# KiCad board board_delta.kicad_pcb (continued)
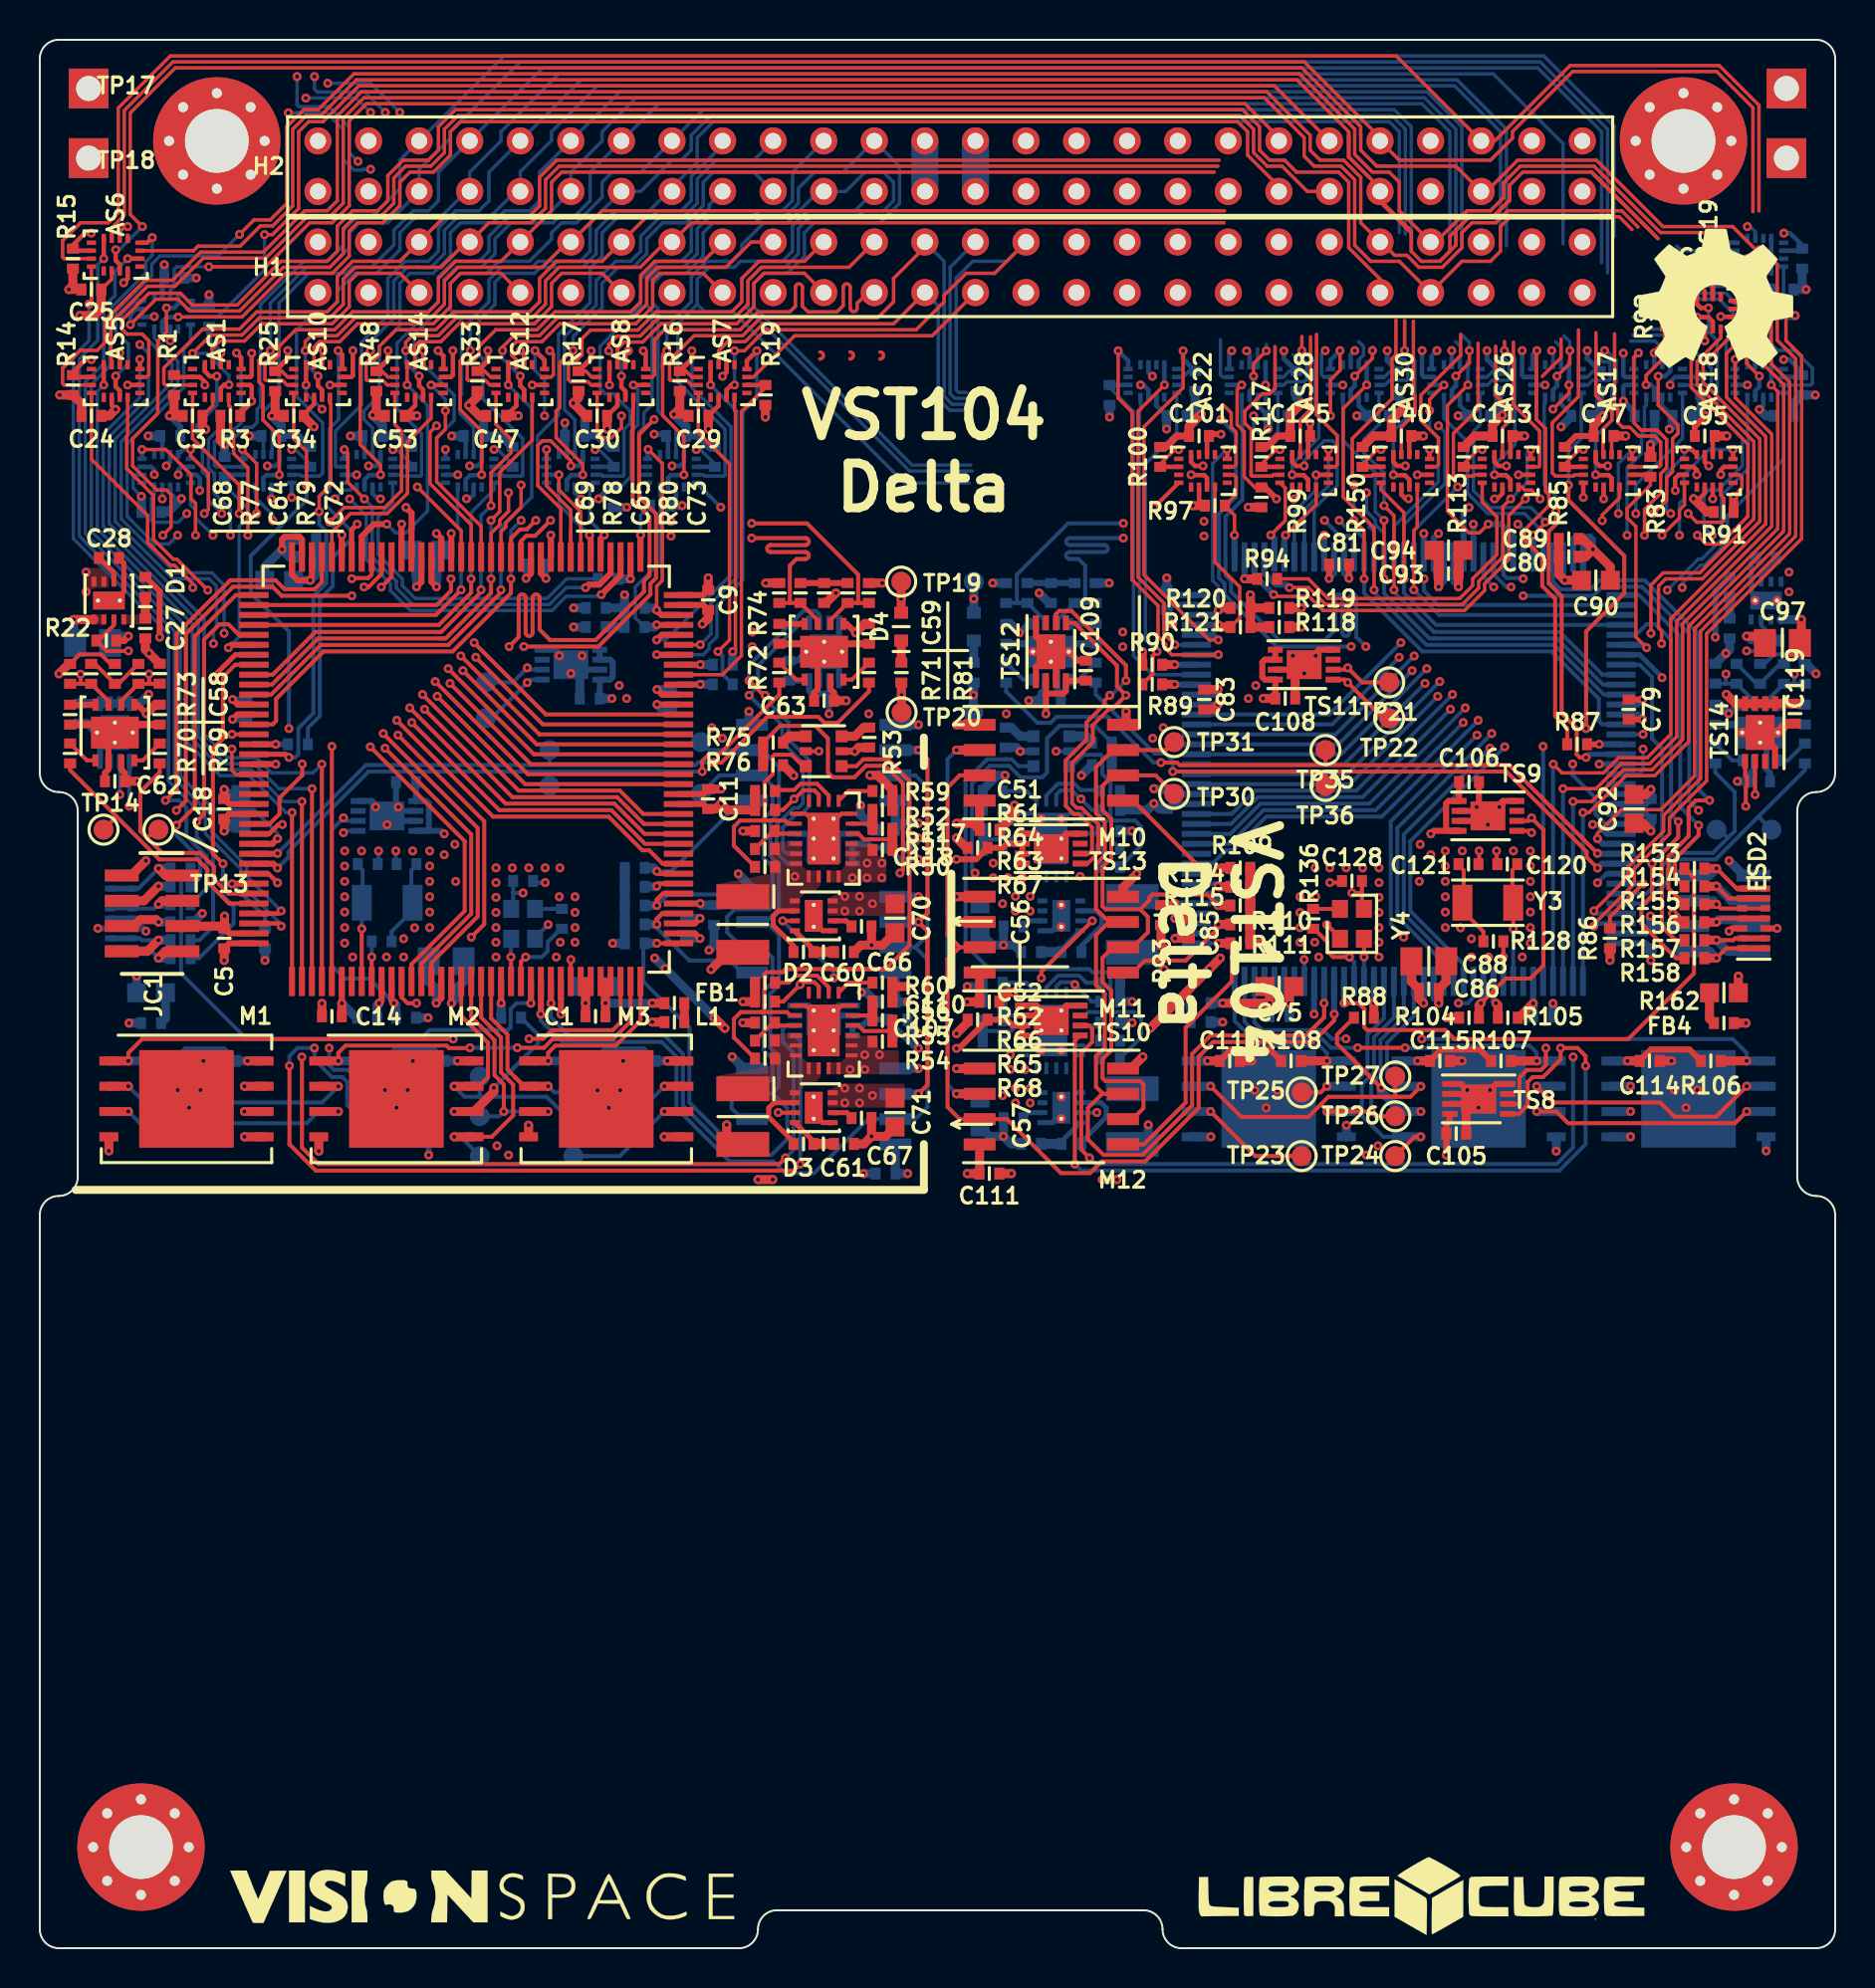
[diagram p0: board, top side]
## Nets (continued)
Net-(C102-Pad1): C102.1 Q4.6
Net-(C121-Pad2): C121.2 R128.1 Y3.2
Net-(C129-Pad1): C129.1 EF3.18
Net-(C130-Pad1): C130.1 EF4.18
Net-(C131-Pad2): C131.2 R137.2 R139.2
Net-(C132-Pad2): C132.2 R138.2 R140.2
Net-(C141-Pad1): C141.1 D6.1 Q5.4
Net-(C142-Pad1): C142.1 D7.1 Q6.4
Net-(C143-Pad1): C143.1 Q5.6
Net-(C144-Pad1): C144.1 Q6.6
Net-(D4-Pad1): D4.1 R81.2
Net-(D8-Pad1): D8.1 R161.2
Net-(EF1-Pad3): EF1.3 R63.2 R64.1
Net-(EF1-Pad14): EF1.14 R50.2 R51.1
Net-(EF1-Pad15): EF1.15 R51.2 R52.1
Net-(EF1-Pad17): EF1.17 R59.2
Net-(EF1-Pad20): EF1.20
Net-(EF2-Pad3): EF2.3 R65.2 R66.1
Net-(EF2-Pad14): EF2.14 R54.2 R55.1
Net-(EF2-Pad15): EF2.15 R55.2 R56.1
Net-(EF2-Pad17): EF2.17 R60.2
Net-(EF2-Pad20): EF2.20
Net-(EF3-Pad3): EF3.3 R145.2 R146.1
Net-(EF3-Pad14): EF3.14 R129.2 R130.1
Net-(EF3-Pad15): EF3.15 R130.2 R131.1
Net-(EF3-Pad17): EF3.17 R141.2
Net-(EF3-Pad20): EF3.20
Net-(EF4-Pad3): EF4.3 R147.2 R148.1
Net-(EF4-Pad14): EF4.14 R133.2 R134.1
Net-(EF4-Pad15): EF4.15 R134.2 R135.1
Net-(EF4-Pad17): EF4.17 R142.2
Net-(EF4-Pad20): EF4.20
Net-(ESD1-Pad1): ESD1.1 ESD1.14 JC1.2 R41.1
Net-(ESD1-Pad5): ESD1.5 JC1.1 R58.2
Net-(ESD1-Pad6): ESD1.6 ESD1.9 JC1.7 R45.1
Net-(ESD1-Pad7): ESD1.7 ESD1.8 JC1.8 R46.1
Net-(ESD1-Pad11): ESD1.4 ESD1.11 JC1.5 R44.1
Net-(ESD1-Pad12): ESD1.3 ESD1.12 JC1.4 R43.1
Net-(ESD1-Pad13): ESD1.2 ESD1.13 JC1.3 R42.1
Net-(ESD2-Pad1): ESD2.1 ESD2.14 JC2.2 R153.1
Net-(ESD2-Pad5): ESD2.5 JC2.1 R162.2
Net-(ESD2-Pad6): ESD2.6 ESD2.9 JC2.7 R157.1
Net-(ESD2-Pad7): ESD2.7 ESD2.8 JC2.8 R158.1
Net-(ESD2-Pad11): ESD2.4 ESD2.11 JC2.5 R156.1
Net-(ESD2-Pad12): ESD2.3 ESD2.12 JC2.4 R155.1
Net-(ESD2-Pad13): ESD2.2 ESD2.13 JC2.3 R154.1
Net-(FB1-Pad1): FB1.1 L1.2
Net-(FB2-Pad1): FB2.1 R58.1
Net-(FB3-Pad1): FB3.1 L2.2
Net-(FB4-Pad1): FB4.1 R162.1
Net-(H1-Pad1): H1.1
Net-(H1-Pad2): H1.2
Net-(H1-Pad3): H1.3
Net-(H1-Pad4): H1.4
Net-(H1-Pad29): H1.29
Net-(H1-Pad31): H1.31
Net-(H1-Pad32): H1.32
Net-(H1-Pad37): H1.37
Net-(H1-Pad38): H1.38
Net-(H1-Pad47): H1.47
Net-(H1-Pad48): H1.48
Net-(H1-Pad49): H1.49
Net-(H1-Pad50): H1.50
Net-(H1-Pad51): H1.51
Net-(H1-Pad52): H1.52
Net-(H2-Pad1): H2.1
Net-(H2-Pad2): H2.2
Net-(H2-Pad3): H2.3
Net-(H2-Pad4): H2.4
Net-(H2-Pad31): H2.31
Net-(H2-Pad33): H2.33
Net-(H2-Pad34): H2.34
Net-(H2-Pad35): H2.35
Net-(H2-Pad36): H2.36
Net-(H2-Pad37): H2.37
Net-(H2-Pad38): H2.38
Net-(H2-Pad45): H2.45
Net-(H2-Pad46): H2.46
Net-(H2-Pad49): H2.49
Net-(H2-Pad50): H2.50
Net-(H2-Pad51): H2.51
Net-(H2-Pad52): H2.52
Net-(LG1-Pad4): LG1.4 R75.1
Net-(LG2-Pad4): LG2.4 R159.1
Net-(MH1-Pad1): MH1.1
Net-(MH2-Pad1): MH2.1
Net-(MH3-Pad1): MH3.1
Net-(MH4-Pad1): MH4.1
Net-(Q2-Pad3): Q2.3 Q3.3 R75.2 R76.1
Net-(Q5-Pad3): Q5.3 Q6.3 R159.2 R160.1
Net-(R6-Pad1): R6.1 U1.124
Net-(R7-Pad1): R7.1 U1.22
Net-(R8-Pad1): R8.1 U1.63
Net-(R9-Pad1): R9.1 U1.65
Net-(R12-Pad2): R12.2 U1.41
Net-(R13-Pad2): R13.2 U1.74
Net-(R57-Pad2): R57.2 Y2.1
Net-(R69-Pad1): R69.1 U2.4
Net-(R70-Pad1): R70.1 U2.1
Net-(R71-Pad1): R71.1 U3.4
Net-(R72-Pad1): R72.1 U3.1
Net-(R73-Pad1): R73.1 U2.8
Net-(R74-Pad1): R74.1 U3.8
Net-(R87-Pad1): R87.1 U4.124
Net-(R88-Pad1): R88.1 U4.22
Net-(R89-Pad1): R89.1 U4.63
Net-(R90-Pad1): R90.1 U4.65
Net-(R93-Pad2): R93.2 U4.41
Net-(R94-Pad2): R94.2 U4.74
Net-(R122-Pad1): R122.1 U5.4
Net-(R123-Pad1): R123.1 U5.1
Net-(R124-Pad1): R124.1 U6.4
Net-(R125-Pad1): R125.1 U6.1
Net-(R126-Pad1): R126.1 U5.8
Net-(R127-Pad1): R127.1 U6.8
Net-(R136-Pad2): R136.2 Y4.1
Net-(TS1-Pad3): TS1.3
Net-(TS2-Pad3): TS2.3
Net-(TS3-Pad3): TS3.3
Net-(TS4-Pad3): TS4.3
Net-(TS5-Pad3): TS5.3
Net-(TS6-Pad3): TS6.3
Net-(TS7-Pad3): TS7.3
Net-(TS8-Pad3): TS8.3
Net-(TS9-Pad3): TS9.3
Net-(TS10-Pad3): TS10.3
Net-(TS11-Pad3): TS11.3
Net-(TS12-Pad3): TS12.3
Net-(TS13-Pad3): TS13.3
Net-(TS14-Pad3): TS14.3
Net-(U1-Pad7): U1.7
Net-(U1-Pad46): U1.46
Net-(U1-Pad128): U1.128
Net-(U1-Pad129): U1.129
Net-(U4-Pad7): U4.7
Net-(U4-Pad46): U4.46
Net-(U4-Pad128): U4.128
Net-(U4-Pad129): U4.129

## Via types
v1: diameter 0.45, hole 0.2, Top to Bottom, 1075 vias

## Routing (per net, layer and track width the routed paths; a pad name or vN(x,y) marks a point on that pad's centre or on a via; arc(x,y) is an arc through that point)
/OBC_left/+3V3: length 80.6
  Top w0.3: C18.2 9.51,56.99 U1.131 ; U1.108 12.67,69.01 12.95,68.73 v1(13.58,68.73) 13.62,68.77 ; U2.5 4.9,62.48 v1(5.35,62.03) ; 13.67,68.94 U1.106 ; U3.5 40.52,66.54 v1(40.97,66.09) ; U1.52 33.31,57.99 C11.2 ; U1.144 9.51,50.49 C5.2 ; C9.2 33.32,67.99 U1.72 ; U1.121 9.93,61.99 v1(9.68,61.74) ; U1.6 v1(15.17,47.47) 15.16,47.47 ; v1(18.92,68.4) 19.17,68.65 U1.95 ; v1(33.16,51.75) 32.9,51.49 U1.39 ; U1.84 24.67,69.07 v1(24.42,68.83) ; U1.62 31.25,62.99 v1(31,63.24) ; v1(20.67,47.48) 20.67,47.48 U1.17 ; 31.45,44.58 31.45,44.58 ; D1.2 6.02,68.18 v1(6.02,65.87)
  Top w0.45: C9.2 v1(33.57,68.85) ; v1(9.26,49.63) C5.2 ; C59.2 41.42,66.54 v1(40.97,66.09) ; v1(5.35,62.03) 5.8,62.48 C58.2 5.8,62.48 5.75,62.42 ; v1(34.22,58.26) 34.2,58.24 C11.2 ; L1.1 v1(30.76,46.53) ; v1(15.17,47.47) 15.17,47.47 C14.2 ; C18.2 v1(9.26,56.13) ; 43.26,67.12 v1(43.26,67.8) TP19.1 ; 31.69,44.58 M3.8 31.52,44.58 v1(31.52,44.58) ; M2.8 20.98,44.58 v1(20.97,44.58) ; M1.8 10.44,44.58 v1(10.44,44.58) ; v1(1.7,66.76) Q1.1
  In3.Cu w0.2: 26.12,53.61 25.73,53.22 25.73,53.22 25.53,53.02 v1(24.27,53.02)
  Bottom w0.2: C55.2 23.77,53.03 ; 23.77,53.03 23.78,53.02 v1(24.27,53.02) ; 23.77,53.03 23.77,52.32 Y2.4
  Bottom w0.3: C6.2 v1(9.68,61.74) ; C8.2 v1(24.42,68.83) ; M4.8 42.64,57.66 ; C43.1 30.33,45.16 28.41,45.16 R29.1 ; C42.1 19.77,45.16 17.86,45.16 R28.1 ; C41.1 9.25,45.16 7.32,45.16 R27.1
  Bottom w0.45: R39.1 R40.1 R37.1 ; R39.1 v1(29.37,68) ; R39.1 R38.1 ; M4.8 C44.1 43.3,56.52 v1(44.13,56.52) ; v1(33.16,51.75) 33.15,51.74 C12.2 ; v1(43.59,47.55) C39.1 42.97,47.56 M5.8 ; v1(31,63.24) C10.2 ; R32.1 v1(28.77,50.49) ; v1(43.59,38.92) C40.1 42.97,38.93 M6.8 ; v1(20.67,47.48) 20.91,47.72 C13.2 21.29,48.57 C15.1 ; C16.2 C7.2 13.88,69.03 v1(13.58,68.73) C17.2 ; v1(15.17,47.47) 15.89,46.75 R24.1 ; R23.1 v1(19.5,46.75) ; v1(9.26,56.13) 9.65,56.52 10.1,56.52 ; C20.2 v1(18.92,68.4) ; C42.1 v1(20.97,44.58) ; C41.1 v1(10.44,44.58) ; C43.1 v1(31.52,44.58) ; C26.2 1.7,65.66 v1(1.7,66.76) ; FB2.2 4.48,46.48 v1(4.48,46.48)
  Bottom w0.5: R30.1 R35.1 R36.1 R31.1 R32.1 ; C21.2 18.92,70.02 C20.2 ; M6.8 42.97,40.39
  vias: v1(40.43,52.85) v1(40.43,52.11) v1(41.17,52.85) v1(41.17,52.11) v1(41.82,52.48)
/OBC_left/+3V3_ADC: length 7.8
  Top w0.3: 28.44,48.58 U1.32 28.41,48.58 ; 28.44,48.58 28.41,48.54 ; 28.44,48.58 U1.33 28.41,48.58 ; 28.41,48.58 28.41,47.48 v1(28.41,47.48)
  Top w0.45: 28.41,48.54 v1(28.41,47.48) C1.2 ; FB1.2 v1(30.76,47.48)
  Bottom w0.45: C2.2 28.41,48.09 v1(28.41,47.48) v1(30.76,47.48)
/OBC_left/+5V: length 167.8
  Top w0.173: AS6.10 3.61,83.86 C25.2 ; AS1.10 8.69,77.51 C3.2
  Top w0.225: C53.2 18.85,77.51 AS14.10 ; AS10.10 13.77,77.58 13.26,77.07 C34.2 ; C47.2 23.93,77.5 AS12.10 ; AS8.10 29.01,77.51 C30.2 ; AS5.10 3.61,77.51 v1(3.81,77.31) ; AS7.10 34.09,77.5 C29.2
  Top w0.3: C63.2 39.89,63.08 39.72,63.26 U3.3 ; U2.3 4.1,59.23 4.27,59.05 C62.2
  Top w0.45: C29.2 v1(33.58,76.33) ; C34.2 13.26,76.95 v1(13.77,76.44) ; v1(2.01,82.03) 2.74,82.03 3.09,82.38 C25.2 ; C47.2 v1(24.03,76.99) ; v1(3.81,77.31) 3.48,76.99 C24.2 ; C3.2 8.17,76.48 v1(8.33,76.32) ; C53.2 v1(18.94,76.99) ; C30.2 v1(28.49,76.33) ; C63.2 v1(40.5,62.68) ; R81.1 43.27,62.97 v1(43.28,62.96) TP20.1 ; C62.2 v1(4.91,58.63) ; v1(34.41,46.22) 34.4,46.22 33.88,46.74
  In2.Cu w0.45: v1(43.28,62.96) 40.78,62.96 v1(40.5,62.68) 40.5,62.06 39.23,60.79 v1(34.28,60.79) v1(33.75,61.32) ; v1(31.7,71.69) v1(31.7,70.95) 31.7,69.89 33.33,68.27 33.97,68.27 35.78,66.46 v1(35.78,66.13) v1(35.78,65.39) ; v1(28.49,76.33) 26.68,76.33 v1(26.37,76.64) ; v1(3.81,77.31) 3.49,77.31 2.01,78.79 v1(2.01,82.03) ; v1(8.33,76.32) 10.18,76.32 v1(10.52,75.98)
  In3.Cu w0.45: 30.05,74.77 30.14,74.68 31.11,74.68 ; 30.05,74.77 30.69,74.13 ; 30.05,74.77 v1(28.49,76.33) ; 30.41,56.58 30.41,50.22 30.41,50.22 v1(30.88,49.75) v1(31.41,49.22) ; 30.41,56.58 29.76,57.24 ; 30.41,56.58 30.41,57.24 ; 30.69,74.13 30.69,72.7 v1(31.7,71.69) v1(31.7,70.95) ; 30.69,74.13 30.69,74.27 31.11,74.68 ; 31.11,74.68 32.14,75.72 ; 32.14,75.72 31.79,76.07 31.67,76.07 ; 32.14,75.72 32.49,76.07 32.62,76.07 ; v1(2.01,82.03) 3.69,82.03 v1(6.25,84.59) ; 31.67,76.07 32.62,76.07 ; 31.67,76.07 v1(30.85,76.07) ; 32.62,76.07 33.32,76.07 v1(33.58,76.33) ; v1(10.52,75.98) 13.31,75.98 v1(13.77,76.44) 14.23,75.98 v1(15.6,75.98) 17.93,75.98 v1(18.94,76.99) 18.94,76.62 19.64,75.91 20.61,75.91 v1(20.68,75.98) 23.02,75.98 v1(24.03,76.99) 24.61,76.41 26.14,76.41 v1(26.37,76.64) ; 30.41,57.24 29.76,57.24 ; 30.41,57.24 33.63,60.45 ; 29.76,57.24 28.16,58.84 12.84,58.84 12.83,58.85 5.13,58.85 v1(4.91,58.63) ; 33.63,60.45 33.75,60.58 v1(33.75,61.32) ; 33.63,60.45 33.96,60.79 v1(34.28,60.79) v1(33.75,61.32) ; 39.29,43.21 40.03,42.47 v1(40.43,42.47) ; 39.29,43.21 36.87,45.63 35,45.63 v1(34.41,46.22) 34.13,46.5 v1(33.87,46.75) ; 39.29,43.21 v1(40.43,43.21) ; v1(33.75,61.32) 33.75,62.96 35.78,64.99 v1(35.78,65.39) v1(35.78,66.13) ; v1(3.81,77.31) 4.11,77.31 v1(5.44,75.98) 5.78,76.32 v1(8.33,76.32)
  Bottom w0.173: AS2.10 11.23,75.88 C4.2
  Bottom w0.225: C48.2 26.47,75.88 AS13.10 ; C54.2 21.39,75.88 AS15.10 ; C31.2 31.55,75.88 AS9.10 ; AS11.10 16.31,75.88 C35.2 ; AS3.10 6.15,75.88 C22.2
  Bottom w0.25: AS4.10 6.15,83.82 C23.2
  Bottom w0.3: v1(30.85,76.07) 31.36,76.07 C31.2 ; C48.2 v1(26.37,76.64)
  Bottom w0.45: C4.2 v1(10.52,75.98) ; C35.2 v1(15.6,75.98) ; C23.2 v1(6.25,84.59) ; C22.2 v1(5.44,75.98) ; C54.2 v1(20.68,75.98) ; v1(34.41,46.22) 33.89,46.74 33.88,46.74 v1(33.87,46.75) v1(31.41,49.22) v1(30.88,49.75)
  vias: v1(41.17,43.21) v1(41.17,42.47) v1(41.82,42.84)
/OBC_right/+3V3: length 80.6
  Top w0.2: Y4.4 66.4,52.32 66.4,53.03 ; 66.4,53.03 66.39,53.02 v1(65.9,53.02) ; 66.4,53.03 C128.2
  Top w0.3: C115.1 70.4,45.16 72.31,45.16 R107.1 ; R108.1 61.76,45.16 59.84,45.16 C116.1 ; C79.2 v1(80.49,61.74) ; C114.1 80.92,45.16 82.85,45.16 R106.1 ; C81.2 v1(65.75,68.83) ; M10.8 47.53,57.66
  Top w0.45: R119.1 R120.1 ; R120.1 R121.1 R118.1 ; R120.1 v1(60.8,68) ; C97.2 88.47,65.66 v1(88.47,66.76) ; FB4.2 85.69,46.48 v1(85.69,46.48) ; R105.1 74.28,46.75 v1(75,47.47) ; C89.2 C80.2 76.29,69.03 v1(76.59,68.73) 77.42,68.73 C90.2 ; C114.1 v1(79.73,44.58) ; R111.1 v1(61.4,50.49) ; C85.2 57.02,51.74 v1(57.01,51.75) ; C115.1 v1(69.2,44.58) ; C88.1 68.88,48.57 C86.2 69.26,47.72 v1(69.5,47.48) ; R104.1 v1(70.67,46.75) ; v1(46.58,47.55) C110.1 47.2,47.56 M11.8 ; C116.1 v1(58.65,44.58) ; 80.07,56.52 80.53,56.52 v1(80.91,56.13) ; C93.2 v1(71.25,68.4) ; v1(59.17,63.24) C83.2 ; M12.8 47.2,38.93 C111.1 v1(46.58,38.92) ; M10.8 C117.1 46.87,56.52 v1(46.04,56.52)
  Top w0.5: C94.2 71.25,70.02 C93.2 ; R109.1 R114.1 R115.1 R110.1 R111.1 ; M12.8 47.2,40.39
  In3.Cu w0.2: 64.05,53.61 64.44,53.22 64.44,53.22 64.64,53.02 v1(65.9,53.02)
  Bottom w0.3: D5.2 84.15,68.18 v1(84.15,65.87) ; U4.108 77.5,69.01 77.22,68.73 v1(76.59,68.73) 76.55,68.77 ; U4.131 80.66,56.99 C91.2 ; U5.5 85.27,62.48 v1(84.82,62.03) ; U4.95 71,68.65 v1(71.25,68.4) ; 76.5,68.94 U4.106 ; v1(49.2,66.09) 49.65,66.54 U6.5 ; v1(65.75,68.83) 65.5,69.07 U4.84 ; U4.121 80.24,61.99 v1(80.49,61.74) ; v1(69.5,47.48) 69.5,47.48 U4.17 ; C78.2 80.66,50.49 U4.144 ; 75.01,47.47 v1(75,47.47) U4.6 ; U4.52 56.86,57.99 C84.2 ; U4.39 57.27,51.49 v1(57.01,51.75) ; v1(59.17,63.24) 58.92,62.99 U4.62 ; 58.72,44.58 58.72,44.58 ; U4.72 56.85,67.99 C82.2
  Bottom w0.45: v1(88.47,66.76) Q4.1 ; v1(80.91,49.63) C78.2 ; 58.49,44.58 M9.8 58.65,44.58 v1(58.65,44.58) ; C82.2 v1(56.6,68.85) ; TP37.1 v1(46.91,67.8) 46.91,67.12 ; v1(49.2,66.09) 48.75,66.54 C123.2 ; v1(79.73,44.58) 79.73,44.58 M7.8 ; v1(75,47.47) 75,47.47 C87.2 ; 84.42,62.42 84.37,62.48 C122.2 84.37,62.48 v1(84.82,62.03) ; L2.1 v1(59.41,46.53) ; C91.2 v1(80.91,56.13) ; M8.8 69.19,44.58 v1(69.2,44.58) ; v1(55.95,58.26) 55.97,58.24 C84.2
  vias: v1(48.35,52.48) v1(49,52.85) v1(49,52.11) v1(49.74,52.85) v1(49.74,52.11)
/OBC_right/+3V3_ADC: length 7.8
  Top w0.45: C75.2 61.76,48.09 v1(61.76,47.48) v1(59.41,47.48)
  Bottom w0.3: 61.73,48.58 U4.32 61.76,48.58 ; 61.73,48.58 U4.33 61.76,48.58 ; 61.73,48.58 61.76,48.54 ; 61.76,48.58 61.76,47.48 v1(61.76,47.48)
  Bottom w0.45: FB3.2 v1(59.41,47.48) ; 61.76,48.54 v1(61.76,47.48) C74.2
/OBC_right/+5V: length 167.8
  Top w0.173: AS17.10 78.94,75.88 C77.2
  Top w0.225: AS22.10 58.62,75.88 C101.2 ; AS26.10 73.86,75.88 C113.2 ; C125.2 63.7,75.88 AS28.10 ; C95.2 84.02,75.88 AS18.10 ; AS30.10 68.78,75.88 C140.2
  Top w0.25: C96.2 84.02,83.82 AS19.10
  Top w0.3: v1(59.32,76.07) 58.81,76.07 C101.2 ; C125.2 v1(63.8,76.64)
  Top w0.45: v1(59.29,49.75) v1(58.76,49.22) v1(56.3,46.75) 56.29,46.74 56.28,46.74 v1(55.76,46.22) ; C95.2 v1(84.73,75.98) ; C140.2 v1(69.49,75.98) ; C113.2 v1(74.57,75.98) ; C96.2 v1(83.92,84.59) ; C77.2 v1(79.65,75.98)
  In2.Cu w0.45: v1(63.8,76.64) 63.49,76.33 v1(61.68,76.33) ; v1(81.84,76.32) 79.99,76.32 v1(79.65,75.98) ; v1(54.39,65.39) v1(54.39,66.13) 54.39,66.46 56.2,68.27 56.84,68.27 58.47,69.89 v1(58.47,70.95) v1(58.47,71.69) ; v1(56.42,61.32) v1(55.89,60.79) 50.94,60.79 49.67,62.06 v1(49.67,62.68) 49.39,62.96 v1(46.89,62.96) ; v1(88.16,82.03) 88.16,78.79 86.68,77.31 v1(86.36,77.31)
  In3.Cu w0.45: 59.06,74.68 58.03,75.72 ; 59.06,74.68 60.03,74.68 60.12,74.77 ; 59.06,74.68 59.48,74.27 59.48,74.13 ; 58.03,75.72 58.38,76.07 58.5,76.07 ; 58.03,75.72 57.68,76.07 57.55,76.07 ; 58.5,76.07 57.55,76.07 ; 58.5,76.07 v1(59.32,76.07) ; 57.55,76.07 56.85,76.07 v1(56.59,76.33) ; v1(58.76,49.22) v1(59.29,49.75) 59.76,50.22 59.76,50.22 59.76,56.58 ; 59.76,56.58 59.76,57.24 ; 59.76,56.58 60.41,57.24 ; v1(54.39,66.13) v1(54.39,65.39) 54.39,64.99 56.42,62.96 v1(56.42,61.32) ; v1(56.3,46.75) 56.04,46.5 v1(55.76,46.22) 55.17,45.63 53.3,45.63 50.88,43.21 ; v1(49.74,42.47) 50.14,42.47 50.88,43.21 ; v1(83.92,84.59) 86.48,82.03 v1(88.16,82.03) ; v1(85.26,58.63) 85.04,58.85 77.34,58.85 77.33,58.84 62.01,58.84 60.41,57.24 ; 56.54,60.45 59.76,57.24 ; 56.54,60.45 56.21,60.79 v1(55.89,60.79) v1(56.42,61.32) ; 56.54,60.45 56.42,60.58 v1(56.42,61.32) ; 59.76,57.24 60.41,57.24 ; 60.12,74.77 v1(61.68,76.33) ; 60.12,74.77 59.48,74.13 ; 50.88,43.21 v1(49.74,43.21) ; 59.48,74.13 59.48,72.7 v1(58.47,71.69) v1(58.47,70.95) ; v1(86.36,77.31) 86.06,77.31 v1(84.73,75.98) 84.39,76.32 v1(81.84,76.32) ; v1(79.65,75.98) 76.86,75.98 v1(76.4,76.44) 75.94,75.98 v1(74.57,75.98) 72.24,75.98 v1(71.23,76.99) 71.23,76.62 70.53,75.91 69.56,75.91 v1(69.49,75.98) 67.15,75.98 v1(66.14,76.99) 65.56,76.41 64.03,76.41 v1(63.8,76.64)
  Bottom w0.173: AS24.10 86.56,83.86 C104.2 ; C76.2 81.48,77.51 AS16.10
  Bottom w0.225: AS27.10 66.24,77.5 C124.2 ; C139.2 71.32,77.51 AS29.10 ; v1(86.36,77.31) 86.56,77.51 AS23.10 ; AS21.10 61.16,77.51 C100.2 ; C112.2 76.91,77.07 76.4,77.58 AS25.10 ; AS20.10 56.08,77.5 C99.2
  Bottom w0.3: U6.3 50.46,63.26 50.28,63.08 C127.2 ; C126.2 85.9,59.05 86.07,59.23 U5.3
  Bottom w0.45: C99.2 v1(56.59,76.33) ; 56.29,46.74 55.77,46.22 v1(55.76,46.22) ; C139.2 v1(71.23,76.99) ; v1(76.4,76.44) 76.91,76.95 C112.2 ; v1(81.84,76.32) 82,76.48 C76.2 ; C100.2 v1(61.68,76.33) ; TP38.1 v1(46.89,62.96) 46.9,62.97 R161.1 ; C103.2 86.69,76.99 v1(86.36,77.31) ; C104.2 87.08,82.38 87.43,82.03 v1(88.16,82.03) ; C127.2 v1(49.67,62.68) ; C124.2 v1(66.14,76.99) ; C126.2 v1(85.26,58.63)
  vias: v1(48.35,42.84) v1(49,43.21) v1(49,42.47)
GND: length 418.6
  Top w0.173: AS6.2 4.01,86.24 4.27,86.5 v1(4.41,86.5) ; AS10.2 14.17,80.2 v1(14.24,80.27)
  Top w0.2: C68.1 2,65.01 3.07,65.01 3.55,64.53 C64.1 ; 39.37,46.46 40.27,47.36 EF2.16 ; 39.37,46.46 EF2.21 ; 39.37,46.46 38.47,47.36 EF2.1 ; EF1.1 38.47,57 39.37,56.1 ; EF1.16 40.27,57 39.37,56.1 ; 39.37,56.1 EF1.21 ; v1(73.16,55.13) 73.16,54.51 C120.2 ; 71.34,51.28 v1(71.35,51.27) ; 74.86,52.88 v1(74.86,52.83) ; v1(72.29,55.13) 72.29,54.5 C121.1 ; v1(64.08,52.83) 64.03,52.83 ; 65.4,53.57 C128.1 65.32,53.54 v1(64.79,53.54) ; v1(64.64,51.43) 65.3,50.77 Y4.2 ; R86.2 78.86,50.3
  Top w0.225: AS1.2 v1(9.09,80.15) ; v1(19.26,80.27) 19.26,79.57 AS14.2 ; v1(24.13,80.27) 24.33,80.07 AS12.2 ; AS8.2 29.41,80.11 v1(29.56,80.26) ; AS5.2 v1(4.01,80.15) ; AS7.2 34.49,79.18 v1(34.29,78.98) ; v1(83.06,72.83) 83.33,72.82 83.62,73.11 AS18.2 ; AS22.2 58.22,72.78 R97.2 ; AS28.2 63.3,73.12 v1(62.99,72.81) ; v1(68.74,72.83) 68.59,72.83 68.38,73.04 AS30.2 ; v1(73.06,72.82) 73.19,72.82 73.46,73.09 AS26.2 ; v1(78.54,72.82) AS17.2 ; AS19.2 v1(83.62,80.76)
  Top w0.25: Q1.9 3.77,67.71 4.22,68.16 Q1.5 4.22,69.6 C28.2 ; Q2.9 38.87,51.57 39.32,51.12 Q2.5 ; Q3.5 39.32,41.48 38.87,41.93 Q3.9
  Top w0.3: R73.2 3.67,61.48 U2.9 ; U1.130 9.51,57.49 C18.1 ; v1(19.92,68.4) 19.67,68.65 U1.94 ; U1.107 13.17,70.79 13.04,70.92 12.29,70.92 12.16,70.78 v1(12.16,70.28) ; v1(19.91,47.48) 20.17,47.74 U1.16 ; 27.41,48.58 U1.31 27.41,48.58 ; 27.41,48.58 U1.30 27.41,48.58 ; 27.41,48.58 27.41,48.57 27.41,48.58 ; U1.71 33.32,67.49 C9.1 ; U1.143 9.51,50.99 C5.1 ; 7.4,51.36 9.15,51.36 ; U1.120 9.93,62.49 v1(9.68,62.74) ; v1(31,62.49) 31,62.49 U1.61 ; U1.51 33.31,57.49 C11.1 ; U1.38 32.9,50.99 v1(33.16,50.73) ; U1.83 25.17,69.07 v1(25.42,68.82) ; C65.1 39.3,67.59 ; U3.9 39.07,64.81 39.07,63.26 38.89,63.08 C63.1 ; U2.9 3.45,60.76 U2.2 3.45,59.23 3.27,59.05 C62.1 ; 46.52,46.65 C107.2 ; v1(81.08,80.15) 81.67,80.74 R92.2 ; C79.1 v1(80.49,62.74) ; TS9.9 72.28,57.34 C106.2 ; TS9.9 72.48,57.14 TS9.6 ; TS9.9 73.48,57.64 TS9.4 ; TS10.6 50.55,46.86 TS10.9 ; TS8.9 72.01,42.42 TS8.7 ; TS11.9 64.25,65.24 TS11.4 ; TS11.7 63.25,64.24 ; TS9.7 72.48,56.64 ; TS12.4 50.03,65.89 TS12.9 ; TS12.5 50.03,64.39 TS12.9 ; TS12.7 51.03,64.89 TS12.9 ; C109.2 52.13,64.69 U6.9 ; EF3.21 51.54,56 TS13.4 ; TS10.5 50.05,47.36 EF4.21 ; v1(72.83,43.12) 73.14,43.42 TS8.4 ; TS8.6 71.5,42.92 v1(71.69,43.12) 71.39,43.42 TS8.5 ; TS10.4 51.55,47.36 EF4.21 ; TS13.5 50.05,56 EF3.21 ; 71.94,42.42 72.14,42.23 ; C81.1 v1(64.75,68.82) ; TS14.4 87.15,60.31 86.88,60.58 U5.9 ; R85.2 77.14,75.98 C77.1 ; v1(87.26,51.24) ESD2.10 ; C95.1 83.12,76.45 v1(83.66,76.99)
  Top w0.35: U2.9 3.87,61.48 C58.1 4.17,61.48 U2.9 3.37,61.48 R73.2 ; R74.2 38.99,65.54 U3.9 39.79,65.54 C59.1 ; v1(40.93,60.13) 40.92,60.14 LG1.2 ; R22.2 4.23,65.7 v1(4.45,65.92) ; R100.2 56.57,75.43 57.12,75.98 C101.1 ; R117.2 61.64,75.43 62.19,75.98 C125.1
  Top w0.45: 7.17,51.36 9.15,51.36 C5.1 9.28,51.26 v1(9.28,51.86) ; C24.1 2.09,77.61 R14.2 v1(1,78.04) ; C34.1 v1(11.65,76.99) 11.82,77.16 R25.2 ; R1.1 6.74,77.22 v1(6.51,76.99) C3.1 ; C25.1 v1(1.46,83.34) 1.66,83.54 R15.2 ; R19.2 v1(36.44,76.93) ; C9.1 33.57,66.83 v1(33.27,66.53) ; R33.2 21.98,77.95 v1(21.55,77.52) 22.08,76.99 C47.1 ; v1(43.59,48.32) 43.01,48.32 ; R48.2 16.9,77.21 v1(16.72,77.03) 16.75,76.99 C53.1 ; v1(9.28,75.54) 9.07,75.75 R3.1 ; C65.1 39.48,67.59 v1(39.98,68.09) ; C69.1 v1(36.46,68.59) ; C29.1 32.5,77.07 v1(31.85,77.07) 32.14,77.36 R16.2 ; R17.2 27.06,77.9 v1(26.79,77.63) 27.43,76.99 C30.1 ; v1(0.96,64.03) 1.46,64.53 C68.1 ; R62.1 v1(35.31,47.56) ; C14.1 v1(14.17,47.47) ; R66.2 v1(35.31,46.5) ; C73.1 v1(42.31,68.59) ; v1(9.26,58.22) C18.1 ; 27.41,48.57 v1(27.41,47.48) C1.1 ; R64.2 v1(35.31,56.13) ; C11.1 33.94,57.24 v1(34.21,57.52) 34.54,57.19 R61.1 ; v1(41.69,58.93) 42.08,58.93 42.82,58.19 R59.1 ; M2.4 14.01,40.06 v1(14.01,40.05) ; M3.4 v1(24.55,41.35) ; M1.4 v1(3.47,40.06) ; M11.4 54.4,53.29 v1(55.09,53.98) ; M12.4 54.81,44.2 v1(55.4,44.79) ; M10.4 54.56,61.62 v1(54.56,62.14) ; C125.1 62.8,77.05 v1(63.38,77.63) ; C108.1 63.05,64.04 TS11.9 ; C105.2 71.64,42.05 TS8.9 ; v1(48.95,57.43) 48.95,56.94 C117.2 ; R99.1 61.35,72.4 v1(60.69,72.4) ; R97.2 v1(57.91,72.48) ; R150.2 66.98,75.98 C140.1 67.88,76.78 v1(68.62,77.52) ; C88.2 70.63,48.57 C86.1 v1(70.26,47.48) ; R91.2 83.73,72.16 v1(83.06,72.83) ; C111.2 v1(48.8,38.92) ; C101.1 57.72,76.46 v1(58.32,77.07) ; C77.1 78.04,76.51 v1(78.52,76.99) ; C110.2 48.66,48.02 v1(48.91,48.02) ; C96.1 v1(82.31,83.92) ; v1(46.04,55.78) 46.53,55.29 C118.2 ; v1(73.45,77.03) 72.96,76.53 C113.1 72.06,75.98 R113.2 ; C83.1 58.92,62.24 v1(59.17,62.49) ; v1(80.89,75.54) R83.2 ; C85.1 57.02,50.74 v1(57.01,50.73) ; C107.2 46.6,46.52 v1(46.04,45.96) ; R86.2 v1(78.86,49.63) ; U5.9 TS14.9 U5.9 87.75,61.53 C119.2 ; v1(85.72,65.92) 86.31,65.92 C97.1 ; C93.1 v1(70.25,68.4) ; C89.1 77.48,70.81 v1(78.01,70.28) ; C75.1 62.76,48.11 v1(62.76,47.48) ; C116.2 v1(60.87,44.58) ; C90.1 78.88,69.41 v1(78.01,70.28) ; v1(80.91,58.22) 80.66,57.97 C92.1 ; v1(78.01,70.28) 77.64,69.91 C80.1 ; C115.2 v1(71.43,44.58) ; C114.2 v1(81.95,44.58) ; v1(33.71,49.17) 34.57,50.04 35.31,50.04 ; 35.31,40.56 35.31,40.38 34.5,40.38 v1(34.5,41.37) ; v1(37.86,58.92) 37.34,59.44 R76.2 ; v1(41.77,50.4) 41.24,50.4 C60.2 ; v1(41.77,50.4) 42.33,50.4 C70.1 ; v1(41.77,50.4) C66.2 ; v1(41.77,40.79) 42.48,40.79 C71.1 ; v1(41.77,40.79) C67.2 ; v1(41.77,40.79) 41.39,40.41 C61.2 ; C27.2 5.3,65.25 v1(5.49,65.06) 6.01,64.54 C72.1 ; R53.2 41.13,60.33 v1(40.93,60.13)
  Top w0.5: R56.2 R60.1 ; R52.2 R59.1 ; R61.1 C51.2 ; C52.2 R62.1 ; C94.1 70.25,70.02 C93.1
  In1.Cu w0.45: v1(26.12,54.28) v1(25.38,54.28) ; v1(20.89,53.6) v1(19.58,53.6) ; v1(69.28,53.6) v1(70.59,53.6) ; v1(64.79,54.28) v1(64.05,54.28)
  In4.Cu w0.45: v1(20.89,53.6) v1(19.58,53.6) ; v1(25.38,54.28) v1(26.12,54.28) ; v1(64.05,54.28) v1(64.79,54.28) ; v1(69.28,53.6) v1(70.59,53.6)
  Bottom w0.173: v1(75.93,80.27) 76,80.2 AS25.2 ; AS24.2 86.16,86.24 85.9,86.5 v1(85.76,86.5)
  Bottom w0.2: v1(26.09,52.83) 26.14,52.83 ; v1(17.01,55.13) 17.01,54.51 C49.2 ; Y2.2 24.87,50.77 v1(25.53,51.43) ; v1(25.38,53.54) 24.85,53.54 C55.1 24.77,53.57 ; v1(17.88,55.13) 17.88,54.5 C50.1 ; R5.2 11.31,50.3 ; 15.31,52.88 v1(15.31,52.83) ; 18.83,51.28 v1(18.82,51.27) ; C131.1 86.62,64.53 87.1,65.01 88.17,65.01 C133.1 ; EF4.1 51.7,47.36 50.8,46.46 ; EF3.1 51.7,57 50.8,56.1 ; 50.8,56.1 49.9,57 EF3.16 ; 50.8,56.1 EF3.21 ; 50.8,46.46 49.9,47.36 EF4.16 ; 50.8,46.46 EF4.21
  Bottom w0.225: AS3.2 6.55,73.11 6.84,72.82 v1(7.11,72.83) ; AS9.2 31.95,72.78 R18.2 ; AS13.2 26.87,73.12 v1(27.18,72.81) ; AS15.2 21.79,73.04 21.58,72.83 v1(21.43,72.83) ; AS11.2 16.71,73.09 16.98,72.82 v1(17.11,72.82) ; v1(11.63,72.82) AS2.2 ; AS4.2 v1(6.55,80.76) ; v1(66.04,80.27) 65.84,80.07 AS27.2 ; v1(60.61,80.26) 60.76,80.11 AS21.2 ; AS16.2 v1(81.08,80.15) ; AS20.2 55.68,79.18 v1(55.88,78.98) ; v1(70.91,80.27) 70.91,79.57 AS29.2 ; AS23.2 v1(86.16,80.15)
  Bottom w0.25: C102.2 85.95,69.6 Q4.5 85.95,68.16 86.4,67.71 Q4.9 ; Q6.5 50.85,41.48 51.3,41.93 Q6.9 ; Q5.9 51.3,51.57 50.85,51.12 Q5.5
  Bottom w0.3: 43.65,46.65 C36.2 ; v1(6.51,76.99) 7.05,76.45 C22.1 ; R11.2 8.5,80.74 v1(9.09,80.15) ; C4.1 13.03,75.98 R4.2 ; v1(2.91,51.24) ESD1.10 ; TS4.7 26.92,64.24 ; C6.1 v1(9.68,62.74) ; TS2.9 17.89,57.34 C33.2 ; TS2.9 17.69,57.14 TS2.6 ; TS2.9 16.69,57.64 TS2.4 ; TS3.9 39.62,46.86 TS3.6 ; TS6.5 40.12,56 EF1.21 ; TS2.7 17.69,56.64 ; U2.9 3.3,60.58 3.02,60.31 TS7.4 ; C8.1 v1(25.42,68.82) ; TS4.4 25.92,65.24 TS4.9 ; TS5.5 40.14,64.39 U3.9 ; U3.9 39.14,64.89 TS5.7 ; U3.9 40.14,65.89 TS5.4 ; TS3.5 40.12,47.36 EF2.21 ; TS6.4 38.62,56 EF1.21 ; EF2.21 38.62,47.36 TS3.4 ; C38.2 38.04,64.69 U3.9 ; TS1.7 18.16,42.42 M2.9 ; TS1.4 17.03,43.42 v1(17.34,43.12) ; TS1.6 18.67,42.92 v1(18.48,43.12) 18.78,43.42 TS1.5 ; 18.23,42.42 18.03,42.23 ; U5.9 86.5,61.48 R126.2 ; U4.107 77,70.79 77.13,70.92 77.88,70.92 78.01,70.78 v1(78.01,70.28) ; v1(70.26,47.48) 70,47.74 U4.16 ; C91.1 80.66,57.49 U4.130 ; U4.94 70.5,68.65 v1(70.25,68.4) ; U4.120 80.24,62.49 v1(80.49,62.74) ; U4.143 80.66,50.99 C78.1 ; v1(59.17,62.49) 59.17,62.49 U4.61 ; 62.76,48.58 62.76,48.57 62.76,48.58 ; 62.76,48.58 U4.31 62.76,48.58 ; 62.76,48.58 U4.30 62.76,48.58 ; C84.1 56.86,57.49 U4.51 ; C82.1 56.85,67.49 U4.71 ; U4.38 57.27,50.99 v1(57.01,50.73) ; TS14.9 86.72,60.76 U5.2 86.72,59.23 86.9,59.05 C126.1 ; TS12.9 51.1,64.81 U6.2 51.1,63.26 51.28,63.08 C127.1 ; C132.1 50.87,67.59 ; v1(64.75,68.82) 65,69.07 U4.83 ; 82.78,51.36 81.03,51.36
  Bottom w0.35: C48.1 27.98,75.98 28.53,75.43 R34.2 ; R21.2 33.6,75.43 33.05,75.98 C31.1 ; C123.1 50.38,65.54 TS12.9 51.18,65.54 R127.2 ; v1(49.24,60.13) 49.25,60.14 LG2.2 ; R126.2 86.8,61.48 TS14.9 86,61.48 C122.1 86.3,61.48 U5.9 ; R103.2 85.94,65.7 v1(85.72,65.92)
  Bottom w0.45: C39.2 41.51,48.02 v1(41.26,48.02) ; R18.2 v1(32.26,72.48) ; R20.1 28.82,72.4 v1(29.48,72.4) ; v1(26.79,77.63) 27.37,77.05 C48.1 ; v1(21.55,77.52) 22.29,76.78 C54.1 23.19,75.98 R49.2 ; v1(16.72,77.03) 17.21,76.53 C35.1 18.11,75.98 R26.2 ; C23.1 v1(7.86,83.92) ; v1(44.13,55.78) 43.64,55.29 C45.2 ; v1(7.11,72.83) 6.44,72.16 R10.2 ; v1(11.65,76.99) 12.13,76.51 C4.1 ; R5.2 v1(11.31,49.63) ; C37.1 27.12,64.04 TS4.9 ; v1(9.28,75.54) R2.2 ; C12.1 33.15,50.74 v1(33.16,50.73) ; C15.2 19.54,48.57 C13.1 v1(19.91,47.48) ; v1(41.22,57.43) 41.22,56.94 C44.2 ; C40.2 v1(41.37,38.92) ; C10.1 31.25,62.24 v1(31,62.49) ; v1(44.13,45.96) 43.57,46.52 C36.2 ; C46.2 2.42,61.53 U2.9 U2.9 U2.9 ; v1(31.85,77.07) 32.45,76.46 C31.1 ; C17.1 11.3,69.41 v1(12.16,70.28) ; C7.1 12.53,69.91 v1(12.16,70.28) ; v1(9.26,58.22) 9.52,57.97 C19.1 ; v1(12.16,70.28) 12.69,70.81 C16.1 ; C20.1 v1(19.92,68.4) ; v1(27.41,47.48) 27.41,48.11 C2.1 ; C26.1 3.87,65.92 v1(4.45,65.92) ; M2.9 18.53,42.05 C32.2 ; C42.2 v1(18.74,44.58) ; C43.2 v1(29.3,44.58) ; C41.2 v1(8.22,44.58) ; v1(48.4,40.79) 47.69,40.79 C146.1 ; v1(48.4,40.79) C144.2 ; v1(48.4,40.79) 48.78,40.41 C142.2 ; C98.2 84.87,65.25 v1(84.68,65.06) 84.16,64.54 C135.1 ; v1(52.31,58.92) 52.83,59.44 R160.2 ; R143.1 55.63,57.19 v1(55.96,57.52) 56.23,57.24 C84.1 ; R132.2 49.04,60.33 v1(49.24,60.13) ; 54.86,50.04 55.6,50.04 v1(56.46,49.17) ; v1(55.67,41.37) 55.67,40.38 54.86,40.38 54.86,40.56 ; C141.2 48.93,50.4 v1(48.4,50.4) ; C82.1 56.6,66.83 v1(56.9,66.53) ; C143.2 v1(48.4,50.4) ; v1(48.4,50.4) 47.84,50.4 C145.1 ; JC2.6 81.03,51.36 C78.1 80.89,51.26 v1(80.89,51.86) ; C76.1 v1(83.66,76.99) 83.43,77.22 R82.1 ; C139.1 73.42,76.99 v1(73.45,77.03) 73.27,77.21 R149.2 ; C134.1 v1(53.71,68.59) ; C103.1 88.08,77.61 R101.2 v1(89.17,78.04) ; C136.1 v1(47.86,68.59) ; C100.1 62.74,76.99 v1(63.38,77.63) 63.11,77.9 R96.2 ; C124.1 68.09,76.99 v1(68.62,77.52) 68.19,77.95 R116.2 ; R95.2 58.03,77.36 v1(58.32,77.07) 57.67,77.07 C99.1 ; R84.1 81.1,75.75 v1(80.89,75.54) ; R98.2 v1(53.73,76.93) ; M7.4 v1(86.7,40.06) ; v1(76.16,40.05) 76.16,40.06 M8.4 ; v1(89.21,64.03) 88.71,64.53 C133.1 ; v1(50.19,68.09) 50.69,67.59 C132.1 ; C104.1 v1(88.71,83.34) 88.51,83.54 R102.2 ; C87.1 v1(76,47.47) ; R112.2 78.35,77.16 v1(78.52,76.99) C112.1 ; R146.2 v1(54.86,56.13) ; v1(80.91,58.22) C91.1 ; 62.76,48.57 v1(62.76,47.48) C74.1 ; M9.4 v1(65.62,41.35) ; R148.2 v1(54.86,46.5) ; R144.1 v1(54.86,47.56) ; v1(46.58,48.32) 47.16,48.32 ; R141.1 47.35,58.19 48.09,58.93 v1(48.48,58.93) ; v1(35.61,62.14) 35.61,61.62 M4.4 ; M6.4 35.36,44.2 v1(34.77,44.79) ; v1(35.08,53.98) 35.77,53.29 M5.4